# Allegro board mini_trx_layout.brd (continued)
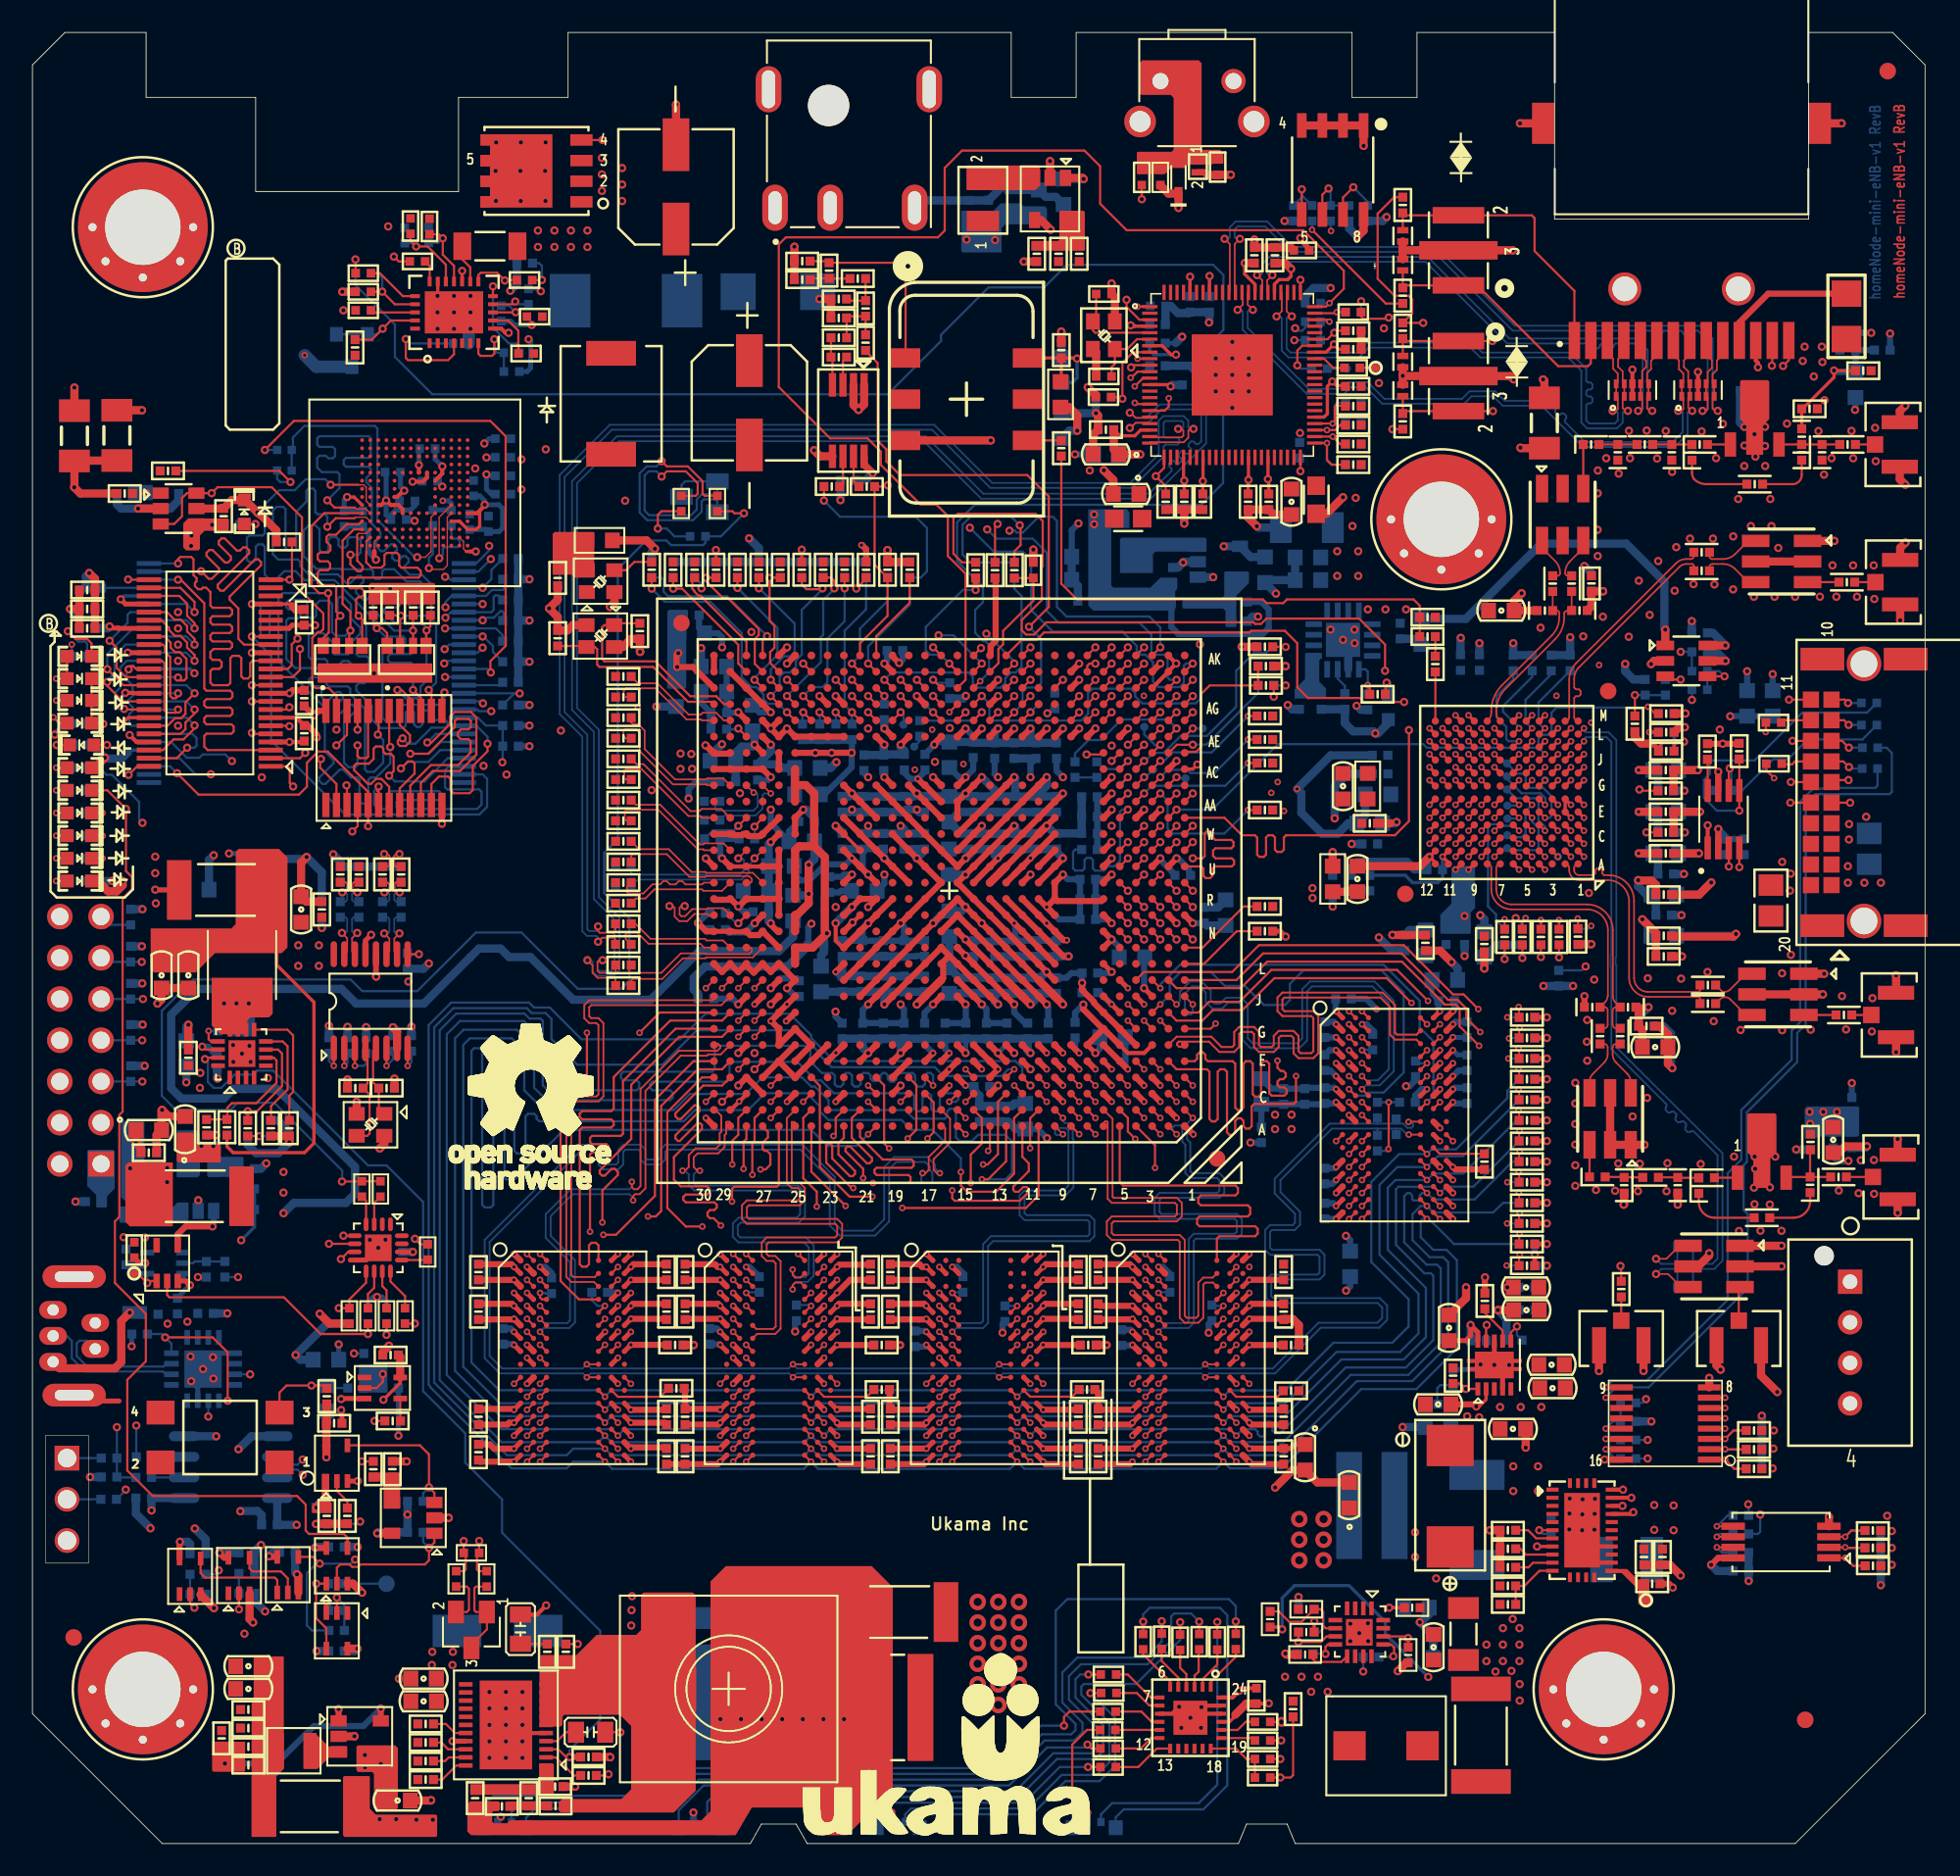
[diagram p0: board, top side]
## Routing (per net, layer and track width the routed paths; a pad name or vN(x,y) marks a point on that pad's centre or on a via; arc(x,y) is an arc through that point) (continued)
7130_QLM1_RXN0: length 9.3
  TOP w0.107: U1.V28 v1(43.49,60.71)
  BOTTOM w0.107: v1(43.49,60.71) 43.73,60.71 43.83,60.6 43.83,59.97 43.57,59.7 36.99,59.7 36.89,59.81 C243.2
7130_QLM1_RXN1: length 5
  TOP w0.107: U1.AB28 v2(44.43,64.76)
  BOTTOM w0.107: v2(44.43,64.76) 44.57,64.76 44.68,64.66 44.68,63.9 44.42,63.65 42.16,63.65 42.06,63.75 42.06,63.93 C255.2
7130_QLM1_RXP0: length 9.3
  TOP w0.107: U1.V27 v1(44.49,60.71)
  BOTTOM w0.107: C244.2 37.29,59.4 43.69,59.4 44.14,59.84 44.14,60.28 44.49,60.63 v1(44.49,60.71)
7130_QLM1_RXP1: length 5
  TOP w0.107: U1.AB27 v2(45.49,64.71)
  BOTTOM w0.107: C256.2 42.63,63.34 44.55,63.34 44.98,63.78 44.98,64.6 45.09,64.71 v2(45.49,64.71)
7130_QLM1_TXN0: length 7.5
  TOP w0.107: U1.V30 41.38,61.21 41.32,61.27 40.99,61.27 38.55,63.7 36.6,63.7 36.49,63.6 36.49,63.13 36.6,63.03 C72.1
7130_QLM1_TXN1: length 8.6
  TOP w0.107: U1.AB30 41.57,65.21 41.51,65.27 39.46,65.27 37.41,67.31 37.41,68.45 37.19,68.68 36.52,68.68 36.41,68.57 36.41,68.21 36.52,68.11 C74.1
7130_QLM1_TXP0: length 7.4
  TOP w0.107: C73.1 37.17,64.01 38.68,64.01 41.11,61.57 41.32,61.57 41.38,61.63 42.58,61.63 42.99,61.22 U1.V29
7130_QLM1_TXP1: length 8.7
  TOP w0.107: U1.AB29 42.98,65.21 42.56,65.63 41.58,65.63 41.52,65.57 39.58,65.57 37.72,67.44 37.72,68.58 37.31,68.98 36.99,68.98 36.89,69.09 C75.1
7130_RESET_SW_L: length 83.8
  TOP w0.137: v1(60.49,72.71) U1.AJ12
  L3-SIGNAL w0.127: v1(38.14,64.91) 38.14,66.96 37.87,67.23 32.8,67.23 32.14,67.88 32.14,68.93 32.61,69.4 43.17,69.4 43.3,69.27 45.67,69.27 46.04,69.64 46.04,69.89 46.3,70.15 47.67,70.15 48.04,69.78 48.04,69.53 48.3,69.27 50.67,69.27 50.98,69.57 50.98,69.83 51.33,70.18 54.7,70.18 55.04,70.53 55.04,70.89 55.3,71.15 55.67,71.15 55.98,70.84 56.25,70.84 57.04,71.63 57.04,71.94 58.32,73.22 58.62,73.22 58.88,73.48 58.88,74.44 v1(58.77,74.55)
  L6-SIGNAL w0.127: v1(6.73,54.33) 7.63,54.33 12.52,59.21 20.28,59.21 21.46,58.02 26.47,58.02 33.36,64.91 v1(38.14,64.91)
  BOTTOM w0.137: v1(58.77,74.55) 60.49,72.83 v1(60.49,72.71) ; v1(6.73,54.33) R325.2 4.48,54.33 J5.11
7130_RF2_D0: length 37.6
  TOP w0.137: U1.U1 72.01,60.21 72.14,60.07 72.14,59.63 72.28,59.49 72.55,59.49 72.69,59.63 72.69,60.07 72.83,60.21 73.89,60.21 74.03,60.35 74.03,60.57 73.89,60.71 72.89,60.71 72.74,60.86 72.74,61.19 72.87,61.33 73.86,61.33 74,61.46 74,61.71 73.86,61.84 72.87,61.84 72.74,61.98 72.74,62.24 72.6,62.37 72.36,62.37 72.22,62.24 72.22,60.85 72.08,60.71 v1(71.49,60.71) ; U3.K11 v2(86.87,67.92)
  L6-SIGNAL w0.127: v1(71.49,60.71) 76.25,60.71 76.84,61.3 77.02,61.3 77.48,60.85 77.66,60.85 77.84,61.03 77.84,61.21 77.38,61.66 77.38,61.84 77.56,62.02 77.74,62.02 78.2,61.57 78.38,61.57 78.56,61.74 78.56,61.92 78.1,62.38 78.1,62.56 78.28,62.74 78.46,62.74 78.92,62.28 79.1,62.28 79.28,62.46 79.28,62.64 78.82,63.1 78.82,63.28 79.82,64.28 80,64.28 80.15,64.13 80.33,64.13 80.51,64.31 80.51,64.49 80.36,64.64 80.36,64.82 83.07,67.53 83.67,67.53 83.8,67.4 83.8,67.17 83.93,67.05 84.18,67.05 84.31,67.17 84.31,67.4 84.43,67.53 84.69,67.53 84.82,67.4 84.82,67.17 84.94,67.05 85.2,67.05 85.32,67.17 85.32,67.4 85.45,67.53 86.48,67.53 v2(86.87,67.92)
7130_RF2_D1: length 40.2
  TOP w0.137: U3.J12 v2(86.07,67.12) ; U1.U4 v1(68.49,60.71)
  L3-SIGNAL w0.127: v1(68.49,60.71) 68.04,61.15 67.41,61.15 66.93,61.64 66.93,62.34 67.93,63.34 67.93,63.85 68.34,64.27 68.67,64.27 68.93,64.53 68.93,64.88 69.21,65.15 70.67,65.15 70.93,64.89 70.93,64.47 71.14,64.27 71.67,64.27 72.52,65.12 72.52,65.3 72.21,65.6 72.21,65.78 72.39,65.96 72.57,65.96 72.88,65.66 73.06,65.66 73.24,65.83 73.24,66.01 72.93,66.32 72.93,66.5 72.98,66.54 72.98,72.28 73.28,72.59 75.4,72.59 75.7,72.28 75.7,70.62 75.7,70.35 76.67,69.38 77.66,69.38 78.76,70.48 78.76,71.3 79.1,71.65 80.81,71.65 81.79,70.66 82.72,70.66 84.36,69.02 84.36,68.42 84.62,68.16 85.17,68.16 86.07,67.26 v2(86.07,67.12)
7130_RF2_D2: length 37.6
  TOP w0.137: U3.K10 v2(87.67,67.92) ; U1.U5 v1(67.49,60.71)
  L6-SIGNAL w0.127: v2(87.67,67.92) 87.28,68.32 85.91,68.32 85.76,68.16 83.51,68.16 83.2,67.86 82.93,67.86 82.62,67.55 82.32,67.55 82.1,67.33 81.92,67.33 81.51,67.75 81.33,67.75 81.15,67.57 81.15,67.39 81.56,66.97 81.56,66.79 81.38,66.61 81.2,66.61 80.79,67.03 80.61,67.03 80.43,66.85 80.43,66.67 80.85,66.25 80.85,66.07 78.55,63.77 78.37,63.77 78.22,63.92 78.22,64.1 79.99,65.88 79.99,66.06 79.87,66.19 79.69,66.19 77.62,64.12 77.62,63.8 78.01,63.41 78.01,63.23 76.02,61.24 74.92,61.24 74.79,61.37 74.79,61.85 74.66,61.97 74.44,61.97 74.28,61.81 74.28,61.37 74.15,61.24 73.9,61.24 73.77,61.37 73.77,61.81 73.65,61.94 73.39,61.94 73.26,61.81 73.26,61.37 73.14,61.24 72.88,61.24 72.76,61.37 72.76,61.81 72.63,61.94 72.38,61.94 72.25,61.81 72.25,61.37 72.12,61.24 68.02,61.24 v1(67.49,60.71)
7130_RF2_D3: length 40.3
  TOP w0.137: U3.J11 v2(86.87,67.12) ; U1.V1 v1(71.49,61.71)
  L3-SIGNAL w0.127: v1(71.49,61.71) 72.3,61.71 72.43,61.58 72.43,60.82 72.56,60.69 73.67,60.69 73.79,60.82 73.79,61.07 73.67,61.2 73.06,61.2 72.94,61.33 72.94,61.58 73.06,61.71 73.39,61.71 73.52,61.84 73.52,62.15 73.65,62.28 73.9,62.28 74.03,62.15 74.03,61.84 74.15,61.71 74.51,61.71 76.05,63.25 76.05,64.25 75.82,64.48 75.82,66.79 76.35,67.33 78.01,67.33 78.82,66.52 81.64,66.52 81.92,66.24 81.92,64.69 82.2,64.41 82.2,64.4 82.63,63.96 82.64,63.96 82.66,63.95 85.34,63.95 85.81,64.42 90.58,64.42 91.08,64.92 91.08,67.48 90.24,68.32 87.51,68.32 87.28,68.09 87.28,67.53 v2(86.87,67.12)
7130_RF2_D4: length 37.7
  TOP w0.137: U3.K9 v2(88.47,67.92) ; U1.V2 v1(70.49,61.71)
  L6-SIGNAL w0.127: v1(70.49,61.71) 70.77,61.71 71.32,62.27 71.84,62.27 71.84,62.3 72.72,63.18 73.09,63.18 73.22,63.05 73.22,62.48 73.34,62.35 73.6,62.35 73.72,62.48 73.72,63.05 73.85,63.18 74.11,63.18 74.23,63.05 74.23,62.48 74.36,62.35 74.61,62.35 74.74,62.48 74.74,63.05 74.87,63.18 75.12,63.18 75.25,63.05 75.25,62.48 75.38,62.35 75.63,62.35 75.76,62.48 75.76,63.05 75.88,63.18 76.4,63.18 76.51,63.29 76.51,63.71 76.38,63.84 76.25,63.84 76.12,63.96 76.12,64.22 76.25,64.34 76.7,64.34 80.3,67.94 80.3,68.12 80.12,68.3 79.94,68.3 77.48,65.84 77.3,65.84 77.12,66.01 77.12,66.19 79.83,68.91 80.96,68.91 81.08,68.78 81.08,68.54 81.21,68.42 81.46,68.42 81.59,68.54 81.59,68.78 81.72,68.91 83.19,68.91 83.27,68.99 83.31,68.99 83.43,69.12 87.84,69.12 88.08,68.87 88.08,68.32 v2(88.47,67.92)
7130_RF2_D5: length 37.5
  TOP w0.137: U1.V3 v1(69.49,61.71) ; U3.J10 v2(87.67,67.12)
  L6-SIGNAL w0.127: v1(69.49,61.71) 69.7,61.71 70.15,62.15 70.67,62.15 71.04,62.53 71.04,62.89 71.3,63.15 71.49,63.15 72.74,64.4 74.85,64.4 75.28,64.82 75.28,65 74.74,65.54 74.74,65.72 75.57,66.55 75.57,66.73 75.06,67.23 75.06,67.41 75.24,67.59 75.42,67.59 75.92,67.09 76.1,67.09 76.74,67.72 76.92,67.72 77.1,67.54 77.1,67.36 75.46,65.72 75.46,65.54 75.63,65.36 75.81,65.36 79.7,69.24 83.05,69.24 83.38,69.57 84.83,69.57 85.77,70.51 86.16,70.51 86.29,70.38 86.29,70.08 86.41,69.95 86.67,69.95 86.79,70.08 86.79,70.38 86.92,70.51 88.32,70.51 88.88,69.95 88.88,67.77 88.64,67.53 88.63,67.53 88.61,67.52 88.07,67.52 v2(87.67,67.12)
7130_RF2_D6: length 37.7
  TOP w0.137: U1.V4 v1(68.49,61.71) ; U3.K8 v2(89.27,67.92)
  L6-SIGNAL w0.127: v2(89.27,67.92) 89.27,68.17 89.67,68.56 89.67,69.66 88.49,70.84 85.63,70.84 84.69,69.9 83.24,69.9 82.91,69.57 82.62,69.57 82.4,69.79 82.11,69.79 81.89,69.57 80.41,69.57 80.28,69.7 80.28,70.04 80.16,70.17 79.9,70.17 79.78,70.04 79.78,69.7 79.65,69.57 79.2,69.57 77.89,68.26 77.11,68.26 76.7,68.67 73.61,68.67 73.25,68.31 73.25,68.01 73.38,67.88 73.9,67.88 74.02,67.76 74.02,67.5 73.9,67.38 73.38,67.38 73.25,67.25 73.25,66.7 73.38,66.57 74.28,66.57 74.41,66.45 74.41,66.19 74.28,66.06 73.98,66.06 73.86,65.94 73.86,64.92 73.73,64.79 73.47,64.79 73.35,64.92 73.35,65.94 73.22,66.06 72.93,66.06 72.81,65.94 72.81,64.93 71.36,63.48 70.89,63.48 70.67,63.27 70.3,63.27 69.93,62.89 69.93,62.5 69.7,62.27 69.04,62.27 v1(68.49,61.71)
7130_RF2_D7: length 40.2
  TOP w0.137: U1.V5 v1(67.49,61.71) ; U3.J9 v2(88.47,67.12)
  L3-SIGNAL w0.127: v2(88.47,67.12) 88.32,66.97 88.08,66.97 87.85,66.74 85.92,66.74 84.82,67.83 84.48,67.83 84.03,68.29 84.03,68.89 83.25,69.66 82.91,69.66 82.78,69.79 82.78,69.97 82.65,70.09 82.4,70.09 82.27,69.97 82.27,69.79 82.15,69.66 81.39,69.66 81.13,69.92 81.13,70.85 80.67,71.32 79.24,71.32 79.09,71.16 79.09,70.35 77.79,69.05 76.8,69.05 76.53,69.05 75.37,70.21 75.37,70.76 75.37,72.12 75.24,72.26 73.46,72.26 73.31,72.1 73.31,66.42 73.57,66.15 73.57,65.7 73.46,65.59 73.46,65.58 72.89,65.01 72.89,64.83 73.28,64.45 73.28,64.27 73.1,64.09 72.92,64.09 72.53,64.48 72.35,64.48 71.79,63.91 70.92,63.91 70.66,64.16 69.23,64.16 68.93,63.86 68.93,63.53 68.67,63.27 68.34,63.27 67.93,62.86 67.93,62.15 v1(67.49,61.71)
7130_RF2_D8: length 40.3
  TOP w0.137: U3.K7 v2(90.07,67.92) ; U1.W1 v1(71.49,62.71)
  L3-SIGNAL w0.127: v2(90.07,67.92) 90.75,67.25 90.75,66.99 90.62,66.87 90.59,66.87 90.47,66.74 90.47,66.48 90.59,66.36 90.62,66.36 90.75,66.23 90.75,65.05 90.44,64.75 85.67,64.75 85.22,64.29 84.8,64.29 84.67,64.42 84.67,64.64 84.55,64.76 84.29,64.76 84.17,64.64 84.17,64.42 84.04,64.29 83.78,64.29 83.66,64.42 83.66,64.64 83.53,64.76 83.28,64.76 83.15,64.64 83.15,64.42 83.02,64.29 82.77,64.29 82.53,64.53 82.53,66.44 81.97,67 80.32,67 80.19,67.12 80.19,67.65 80.07,67.78 79.81,67.78 79.69,67.65 79.69,67.12 79.56,67 79.1,67 78.88,67.21 78.88,67.39 79.22,67.73 79.22,67.91 79.04,68.09 78.86,68.09 78.52,67.75 78.34,67.75 78.03,68.06 76.12,68.06 76.12,68.06 75.95,68.06 75.34,68.67 74.47,68.67 74.35,68.55 74.35,67.2 74.58,66.98 75.05,66.98 75.05,66.97 75.16,66.97 75.34,66.79 75.34,66.04 75.22,65.91 75.06,65.91 74.93,65.79 74.93,65.53 75.06,65.41 75.22,65.41 75.34,65.28 75.34,64.05 75.63,63.76 75.63,63.59 74.75,62.71 74.38,62.71 74.25,62.84 74.25,62.88 74.12,63.01 73.87,63.01 73.74,62.88 73.74,62.84 73.61,62.71 72.87,62.71 72.74,62.58 72.74,62.17 72.62,62.04 72.36,62.04 72.24,62.17 72.24,62.58 72.11,62.71 v1(71.49,62.71)
7130_RF2_D9: length 40.2
  TOP w0.137: U1.W2 v1(70.49,62.71) ; U3.J8 v2(89.27,67.12)
  L3-SIGNAL w0.127: v2(89.27,67.12) 89.68,66.72 89.68,65.3 89.48,65.1 85.68,65.1 85.56,65.23 85.56,65.35 85.43,65.48 85.17,65.48 85.05,65.35 85.05,65.23 84.92,65.1 84.67,65.1 84.54,65.23 84.54,65.35 84.41,65.48 84.16,65.48 84.03,65.35 84.03,65.23 83.9,65.1 83.54,65.1 82.9,65.75 82.9,67.15 82.1,67.95 81.92,67.95 81.39,67.42 81.21,67.42 81.03,67.6 81.03,67.78 81.56,68.31 81.56,68.49 81.38,68.67 81.2,68.67 80.67,68.14 80.49,68.14 80.31,68.32 80.31,68.5 80.84,69.03 80.84,69.21 80.47,69.57 80.47,70.52 80.34,70.66 79.96,70.66 79.78,70.48 79.78,70.09 79.11,69.41 79.11,69.23 79.88,68.47 79.88,68.29 79.7,68.11 79.52,68.11 78.75,68.87 78.57,68.87 78.09,68.39 76.2,68.39 75.59,69 74.27,69 74.02,68.75 74.02,66.85 74.42,66.45 74.42,65.75 74.6,65.58 74.6,64.48 73.27,63.15 71.3,63.15 71.04,62.89 71.04,62.84 70.91,62.71 v1(70.49,62.71)
7130_RF2_D10: length 37.5
  TOP w0.137: U1.W3 v1(69.49,62.71) ; U3.J7 v2(90.07,67.12)
  L6-SIGNAL w0.127: v1(69.49,62.71) 69.49,62.99 70.04,63.55 70.04,63.89 70.41,64.27 71.67,64.27 72.48,65.07 72.48,65.64 72.35,65.77 72.31,65.77 72.18,65.9 72.18,66.15 72.31,66.28 72.35,66.28 72.48,66.41 72.48,67.36 72.7,67.58 72.7,68.24 74.32,69.87 74.97,69.87 75.09,70 75.09,70.39 75.22,70.52 75.48,70.52 75.6,70.39 75.6,70 75.73,69.87 76.85,69.87 77.13,69.59 77.13,68.86 77.26,68.74 77.75,68.74 78.13,69.12 78.13,69.3 77.71,69.72 77.71,69.9 77.89,70.08 78.06,70.08 78.49,69.66 78.67,69.66 78.85,69.84 78.85,70.01 78.42,70.44 78.42,70.62 78.6,70.8 78.78,70.8 79.21,70.37 79.39,70.37 79.68,70.66 80.19,70.66 80.32,70.79 80.32,71.17 80.45,71.29 80.7,71.29 80.83,71.17 80.83,70.79 80.96,70.66 84.2,70.66 84.7,71.17 88.91,71.17 90.47,69.61 90.47,67.52 v2(90.07,67.12)
7130_RF2_D11: length 40.2
  TOP w0.137: U3.H8 v2(89.27,66.32) ; U1.W4 v1(68.49,62.71)
  L3-SIGNAL w0.127: v2(89.27,66.32) 88.83,65.88 88.65,65.88 88.63,65.9 85.95,65.9 85.69,66.17 85.69,66.4 85.2,66.89 84.86,66.89 84.57,66.6 84.57,66.04 84.44,65.92 83.96,65.92 83.69,66.19 83.69,66.58 84.27,67.17 84.27,67.54 83.64,68.17 83.64,68.39 82.71,69.33 81.18,69.33 80.8,69.71 80.8,70.71 80.53,70.99 79.63,70.99 79.45,70.81 79.45,70.22 77.95,68.72 76.39,68.72 75.04,70.08 75.04,70.14 75.03,70.15 75.03,71.65 74.78,71.9 73.81,71.9 73.69,71.77 73.69,66.72 74.09,66.31 74.09,64.99 74.23,64.85 74.23,64.67 73.14,63.58 71.26,63.58 70.84,63.15 69.27,63.15 68.82,62.71 v1(68.49,62.71)
7130_RF_D0: length 37.6
  TOP w0.137: U1.R1 v1(71.49,57.71) ; U3.E12 v2(86.07,63.21)
  L6-SIGNAL w0.127: v2(86.07,63.21) 86.47,62.82 86.47,60.42 86.34,60.29 84.24,60.29 84.11,60.16 84.11,59.91 84.24,59.78 86.34,59.78 86.47,59.65 86.47,59.4 86.34,59.27 84.24,59.27 84.11,59.15 84.11,58.89 84.24,58.77 86.34,58.77 86.47,58.64 86.47,58.1 85.57,57.2 84.41,57.2 84.29,57.07 84.29,56.79 84.16,56.66 83.9,56.66 83.78,56.79 83.78,57.07 83.65,57.2 83.4,57.2 83.27,57.07 83.27,56.79 83.14,56.66 82.89,56.66 82.76,56.79 82.76,57.07 82.63,57.2 82.38,57.2 82.25,57.07 82.25,56.79 82.13,56.66 81.87,56.66 81.75,56.79 81.75,57.07 81.62,57.2 80.84,57.2 80.71,57.07 80.71,56.9 80.58,56.77 80.33,56.77 80.2,56.9 80.2,57.07 80.07,57.2 79.82,57.2 79.69,57.07 79.69,56.9 79.57,56.77 79.31,56.77 79.19,56.9 79.19,57.07 79.06,57.2 78.8,57.2 78.68,57.07 78.68,56.9 78.55,56.77 78.3,56.77 78.17,56.9 78.17,57.07 78.04,57.2 77.79,57.2 77.66,57.07 77.66,56.9 77.53,56.77 77.28,56.77 77.15,56.9 77.15,57.07 77.03,57.2 76.77,57.2 76.65,57.07 76.65,56.9 76.52,56.77 76.26,56.77 76.14,56.9 76.14,57.07 76.01,57.2 75.76,57.2 75.63,57.07 75.63,56.9 75.5,56.77 75.25,56.77 75.12,56.9 75.12,57.07 74.99,57.2 74.74,57.2 74.61,57.07 74.61,56.9 74.49,56.77 74.23,56.77 74.11,56.9 74.11,57.07 73.98,57.2 73.72,57.2 73.6,57.07 73.6,56.9 73.47,56.77 73.22,56.77 73.09,56.9 73.09,57.07 72.96,57.2 72.16,57.2 71.65,57.71 v1(71.49,57.71)
7130_RF_D1: length 40.5
  TOP w0.137: U3.D11 v2(86.87,62.41) ; U1.R2 v1(70.49,57.71)
  L3-SIGNAL w0.127: v2(86.87,62.41) 86.48,62.02 85.79,62.02 85.66,61.89 85.66,60.7 85.68,60.68 85.68,60.65 85.91,60.42 86.13,60.42 86.41,60.13 86.41,59.85 86.29,59.72 82.97,59.72 82.84,59.85 82.84,60.1 82.97,60.23 85.28,60.23 85.41,60.35 85.41,60.61 85.28,60.73 81.07,60.73 80.65,61.16 80.65,61.99 80.21,62.43 78.06,62.43 77.42,61.79 77.42,61.39 77.55,61.26 78.94,61.26 79.07,61.13 79.07,60.88 78.94,60.75 77.55,60.75 77.42,60.63 77.42,59.92 77.29,59.8 76.32,59.8 76.12,59.99 75.94,59.99 75.15,59.2 75.15,58.96 75.28,58.84 75.51,58.84 75.94,59.27 76.12,59.27 76.3,59.09 76.3,58.91 75.6,58.21 74.78,58.21 74.65,58.33 74.65,58.77 74.53,58.9 74.27,58.9 74.15,58.77 74.15,58.33 74.02,58.21 73.76,58.21 73.64,58.33 73.64,58.77 73.51,58.9 73.26,58.9 73.13,58.77 73.13,58.33 73,58.21 72.75,58.21 72.62,58.33 72.62,58.77 72.49,58.9 72.24,58.9 72.11,58.77 72.11,58.33 71.99,58.21 70.98,58.21 v1(70.49,57.71)
7130_RF_D2: length 37.6
  TOP w0.137: U3.E11 v2(86.87,63.21) ; U1.R3 v1(69.49,57.71)
  L6-SIGNAL w0.127: v1(69.49,57.71) 70.04,57.15 71.67,57.15 73.39,55.44 73.72,55.44 73.72,55.44 73.97,55.44 74.1,55.57 74.1,56.32 74.22,56.44 74.48,56.44 74.61,56.32 74.61,55.57 74.73,55.44 74.99,55.44 75.11,55.57 75.11,56.32 75.24,56.44 75.49,56.44 75.62,56.32 75.62,55.57 75.75,55.44 76,55.44 76.13,55.57 76.13,56.32 76.26,56.44 76.51,56.44 76.64,56.32 76.64,55.57 76.76,55.44 77.11,55.44 77.11,55.44 77.4,55.44 77.4,55.44 77.92,55.44 78.05,55.57 78.05,56.24 78.17,56.37 78.43,56.37 78.55,56.24 78.55,55.57 78.68,55.44 78.94,55.44 79.06,55.57 79.06,56.24 79.19,56.37 79.44,56.37 79.57,56.24 79.57,55.57 79.7,55.44 79.95,55.44 80.08,55.57 80.08,56.24 80.21,56.37 80.46,56.37 80.59,56.24 80.59,55.57 80.71,55.44 80.97,55.44 81.09,55.57 81.09,56.15 81.22,56.28 81.48,56.28 81.6,56.15 81.6,55.57 81.73,55.44 81.99,55.44 81.99,55.44 82.71,55.44 82.77,55.39 83.44,55.39 83.49,55.44 84.81,55.44 87.27,57.9 87.27,62.82 v2(86.87,63.21)
7130_RF_D3: length 40.4
  TOP w0.137: U1.R4 v1(68.49,57.71) ; U3.D10 v2(87.67,62.41)
  L3-SIGNAL w0.127: v1(68.49,57.71) 68.7,57.71 70.22,59.23 71,59.23 71.13,59.36 71.51,59.36 71.64,59.23 72.01,59.23 72.15,59.36 72.52,59.36 72.66,59.23 73.03,59.23 73.16,59.36 73.54,59.36 73.67,59.23 74.67,59.23 74.98,59.54 74.98,59.8 74.68,60.1 74.68,60.28 74.86,60.46 75.04,60.46 75.22,60.28 75.4,60.28 75.56,60.45 76.19,60.45 76.39,60.65 76.39,61.37 78.26,63.23 78.26,64.56 78.69,64.99 78.99,64.99 79.11,64.86 79.11,63.29 79.24,63.16 79.49,63.16 79.62,63.29 79.62,64.86 79.75,64.99 80.95,64.99 81.26,64.69 81.26,64.43 81.13,64.31 80.42,64.31 80.29,64.18 80.29,63.92 80.42,63.8 81.13,63.8 81.26,63.67 81.26,62.81 81.98,62.08 82.84,62.08 82.96,62.21 82.96,62.86 83.09,62.98 83.34,62.98 83.47,62.86 83.47,62.21 83.6,62.08 84.83,62.08 84.95,61.95 84.95,61.7 84.83,61.57 83.46,61.57 83.33,61.45 83.33,61.19 83.46,61.06 85.21,61.06 85.33,61.19 85.33,62.51 85.63,62.8 87.28,62.8 v2(87.67,62.41)
7130_RF_D4: length 37.4
  TOP w0.137: U1.P3 v1(69.49,56.71) ; U3.E10 v2(87.67,63.21)
  L6-SIGNAL w0.127: v1(69.49,56.71) 70.04,56.15 70.04,55.13 70.75,54.42 73.19,54.42 73.6,54.83 73.6,54.85 73.86,55.11 74.74,55.11 74.87,54.98 74.87,54.54 75,54.42 75.25,54.42 75.38,54.54 75.38,54.98 75.5,55.11 75.76,55.11 75.88,54.98 75.88,54.54 76.01,54.42 76.27,54.42 76.39,54.54 76.39,54.98 76.52,55.11 76.77,55.11 76.9,54.98 76.9,54.54 77.03,54.42 77.28,54.42 77.41,54.54 77.41,54.98 77.54,55.11 77.79,55.11 77.92,54.98 77.92,54.54 78.04,54.42 78.3,54.42 78.42,54.54 78.42,54.98 78.55,55.11 78.81,55.11 78.93,54.98 78.93,54.54 79.06,54.42 79.31,54.42 79.44,54.54 79.44,54.98 79.57,55.11 79.82,55.11 79.95,54.98 79.95,54.54 80.08,54.42 80.33,54.42 80.46,54.54 80.46,54.98 80.58,55.11 80.84,55.11 80.96,54.98 80.96,54.54 81.09,54.42 81.35,54.42 81.47,54.54 81.47,54.98 81.6,55.11 81.85,55.11 81.98,54.98 81.98,54.54 82.11,54.42 82.36,54.42 82.49,54.54 82.49,54.73 82.62,54.86 82.83,54.86 83,54.69 83,54.54 83.12,54.42 83.38,54.42 83.5,54.54 83.5,54.98 83.63,55.11 85.04,55.11 88.07,58.14 88.07,62.82 v2(87.67,63.21)
7130_RF_D5: length 40.5
  TOP w0.137: U3.D9 v2(88.47,62.41) ; U1.P4 v1(68.49,56.71)
  L3-SIGNAL w0.127: v2(88.47,62.41) 88.07,62 88.07,61.45 87.82,61.2 86.71,61.2 86.48,60.97 86.48,60.53 86.61,60.4 87.84,60.4 88.08,60.16 88.08,59.74 87.73,59.39 82.2,59.39 82.2,59.38 81.99,59.17 81.99,58.92 81.86,58.79 81.38,58.79 81.26,58.66 81.26,58.41 81.38,58.28 81.86,58.28 81.99,58.15 81.99,57.7 81.76,57.47 80.9,57.47 80.62,57.75 80.62,58.23 80.49,58.36 79.66,58.36 79.53,58.48 79.53,58.74 79.66,58.86 80.49,58.86 80.62,58.99 80.62,59.26 80.49,59.39 78.52,59.39 78.21,59.08 78.21,58.9 78.45,58.66 78.45,58.48 78.27,58.3 78.09,58.3 77.85,58.54 77.67,58.54 77.37,58.23 77.19,58.23 76.73,58.7 76.55,58.7 76.37,58.52 76.37,57.35 76.17,57.15 75.8,57.15 75.67,57.28 75.67,57.75 75.54,57.88 75.29,57.88 75.16,57.75 75.16,57.28 75.03,57.15 74.78,57.15 74.65,57.28 74.65,57.75 74.53,57.88 74.27,57.88 74.15,57.75 74.15,57.28 74.02,57.15 73.76,57.15 73.64,57.28 73.64,57.75 73.51,57.88 73.26,57.88 73.13,57.75 73.13,57.28 73,57.15 72.75,57.15 72.62,57.28 72.62,57.75 72.49,57.88 72.24,57.88 72.11,57.75 72.11,57.28 71.99,57.15 69.3,57.15 68.89,56.75 68.52,56.75 v1(68.49,56.71)
7130_RF_D6: length 40.3
  TOP w0.137: U3.E9 v2(88.47,63.21) ; U1.P5 v1(67.49,56.71)
  L3-SIGNAL w0.127: v1(67.49,56.71) 67.52,56.71 68.04,57.23 68.04,57.89 68.37,58.22 68.68,58.22 70.16,59.69 70.54,59.69 70.67,59.82 70.67,60.14 70.8,60.27 71.05,60.27 71.18,60.14 71.18,59.82 71.3,59.69 71.56,59.69 71.68,59.82 71.68,60.14 71.81,60.27 72.07,60.27 72.19,60.14 72.19,59.82 72.32,59.69 72.57,59.69 72.7,59.82 72.7,60.14 72.83,60.27 73.08,60.27 73.21,60.14 73.21,59.82 73.34,59.69 73.62,59.69 74.28,60.34 74.28,60.52 74.12,60.68 74.12,60.85 74.3,61.03 74.48,61.03 74.63,60.88 74.81,60.88 74.99,61.06 74.99,61.24 74.84,61.39 74.84,61.57 75.02,61.75 75.2,61.75 75.35,61.6 75.53,61.6 75.76,61.83 76.35,61.83 76.48,61.95 76.48,62.97 76.65,63.14 77.47,63.14 77.6,63.26 77.6,64.75 77.47,64.88 77.47,65.85 77.34,65.98 76.38,65.98 76.25,66.11 76.25,66.75 76.43,66.92 77.8,66.92 78.54,66.18 78.85,66.18 78.97,66.06 78.97,65.63 79.1,65.5 79.35,65.5 79.48,65.63 79.48,66.06 79.61,66.18 79.86,66.18 79.99,66.06 79.99,65.63 80.12,65.5 80.37,65.5 80.5,65.63 80.5,66.06 80.62,66.18 81.28,66.18 81.59,65.88 81.59,64.36 82.33,63.62 88.07,63.62 v2(88.47,63.21)
7130_RF_D7: length 40.1
  TOP w0.137: U3.D8 v2(89.27,62.41) ; U1.N1 v1(71.49,55.71)
  L3-SIGNAL w0.127: v1(71.49,55.71) 72.47,55.71 72.6,55.84 72.6,56.18 72.72,56.3 72.98,56.3 73.1,56.18 73.1,55.84 73.23,55.71 73.48,55.71 73.61,55.84 73.61,56.18 73.74,56.3 73.99,56.3 74.12,56.18 74.12,55.84 74.25,55.71 74.5,55.71 74.63,55.84 74.63,56.18 74.75,56.3 75.01,56.3 75.14,56.18 75.14,55.84 75.26,55.71 75.52,55.71 75.64,55.84 75.64,56.06 75.77,56.19 76.02,56.19 76.15,56.06 76.15,55.84 76.28,55.71 76.76,55.71 76.76,55.7 77.24,55.22 77.65,55.22 77.78,55.35 77.78,55.92 77.91,56.05 78.16,56.05 78.29,55.92 78.29,55.35 78.42,55.22 79.05,55.22 79.51,55.68 79.51,55.7 79.83,56.02 79.84,56.02 79.9,56.07 81.74,56.07 82.93,54.88 83.3,54.88 83.43,55.01 83.43,55.29 83.55,55.42 83.81,55.42 83.94,55.29 83.94,55.01 84.06,54.88 85.04,54.88 85.24,55.09 85.24,55.59 85.12,55.71 84.84,55.71 84.71,55.84 84.71,56.09 84.84,56.22 85.12,56.22 85.24,56.35 85.24,56.75 84.99,57 82.78,57 82.65,57.13 82.65,57.8 82.78,57.93 82.96,57.93 83.08,57.8 83.08,57.63 83.22,57.49 83.46,57.49 83.59,57.62 83.59,57.8 83.72,57.93 83.97,57.93 84.1,57.8 84.1,57.52 84.23,57.4 84.82,57.4 85.39,57.97 89.33,57.97 89.67,58.3 89.67,62.02 v2(89.27,62.41)
7130_RF_D8: length 40.5
  TOP w0.137: U3.E8 v2(89.27,63.21) ; U1.N2 v1(70.49,55.71)
  L3-SIGNAL w0.127: v2(89.27,63.21) 89.27,62.97 88.88,62.57 88.88,60.65 89.27,60.25 89.27,59.77 89.15,59.64 88.91,59.64 88.78,59.52 88.78,59.26 88.91,59.13 89.15,59.13 89.27,59.01 89.27,58.62 89.02,58.37 88.28,58.37 88.16,58.49 88.16,58.83 88.03,58.96 87.77,58.96 87.65,58.83 87.65,58.49 87.52,58.37 87.27,58.37 87.14,58.49 87.14,58.83 87.01,58.96 86.76,58.96 86.63,58.83 86.63,58.49 86.5,58.37 86.25,58.37 86.12,58.49 86.12,58.83 86,58.96 85.74,58.96 85.62,58.83 85.62,58.49 85.49,58.37 85.23,58.37 85.11,58.49 85.11,58.83 84.98,58.96 84.73,58.96 84.6,58.83 84.6,58.49 84.47,58.37 84.22,58.37 84.09,58.49 84.09,58.83 83.96,58.96 83.71,58.96 83.58,58.83 83.58,58.49 83.46,58.37 83.2,58.37 83.08,58.49 83.08,58.83 82.95,58.96 82.69,58.96 82.57,58.83 82.57,58.49 82.32,58.24 82.32,56.56 82.19,56.43 81.31,56.43 81.18,56.56 81.18,56.96 81.05,57.09 80.8,57.09 80.67,56.96 80.67,56.56 80.54,56.43 80.29,56.43 80.16,56.56 80.16,56.96 80.04,57.09 79.78,57.09 79.65,56.96 79.65,56.56 79.53,56.43 79.16,56.43 79.04,56.56 79.04,57.66 78.91,57.78 78.66,57.78 78.53,57.66 78.53,56.76 78.4,56.63 78.15,56.63 78.02,56.76 78.02,57.66 77.89,57.78 77.64,57.78 77.51,57.66 77.51,56.55 77.29,56.33 76.73,56.33 76.24,56.82 75.92,56.82 75.73,56.63 75.41,56.63 75.22,56.82 74.9,56.82 74.71,56.63 74.39,56.63 74.2,56.82 73.89,56.82 73.7,56.63 73.38,56.63 73.19,56.82 72.87,56.82 72.68,56.63 72.17,56.63 71.69,56.15 71.3,56.15 70.86,55.71 v1(70.49,55.71)
7130_RF_D9: length 40.2
  TOP w0.137: U1.N3 v1(69.49,55.71) ; U3.D7 v2(90.07,62.41)
  L3-SIGNAL w0.127: v1(69.49,55.71) 69.93,55.27 76.73,55.27 77.13,54.86 79.71,54.86 79.84,54.99 79.84,55.56 79.96,55.69 80.22,55.69 80.35,55.56 80.35,54.99 80.47,54.86 80.73,54.86 80.85,54.99 80.85,55.56 80.98,55.69 81.23,55.69 81.36,55.56 81.36,54.99 81.49,54.86 82.22,54.86 82.53,54.55 85.51,54.55 85.63,54.68 85.63,55.08 85.76,55.21 86.06,55.21 86.18,55.34 86.18,55.59 86.06,55.72 85.76,55.72 85.63,55.84 85.63,57.21 85.76,57.33 86.08,57.33 86.2,57.21 86.2,56.1 86.38,55.92 87.99,55.92 88.11,56.05 88.11,56.58 87.87,56.82 86.84,56.82 86.71,56.95 86.71,57.21 86.84,57.33 87.73,57.33 87.86,57.46 87.86,57.5 87.99,57.63 88.39,57.63 88.68,57.34 88.68,56.7 88.8,56.57 89.41,56.57 89.64,56.81 89.64,57.73 90,58.08 90,60.18 90.19,60.37 90.47,60.65 90.47,61.77 90.07,62.17 v2(90.07,62.41)
7130_RF_D10: length 40.3
  TOP w0.137: U1.N4 v1(68.49,55.71) ; U3.F8 v2(89.27,64.01)
  L3-SIGNAL w0.127: v2(89.27,64.01) 89.66,63.62 90.98,63.62 91.13,63.48 91.13,59.52 91.25,59.4 91.98,59.4 92.1,59.27 92.1,59.02 91.98,58.89 91.25,58.89 91.13,58.76 91.13,57.99 90.3,57.16 90.3,55.5 89.94,55.14 87.33,55.14 86.08,53.89 70.79,53.89 70.38,54.3 67.63,54.3 67.04,54.88 67.04,55.89 67.3,56.15 68.04,56.15 v1(68.49,55.71)
7130_RF_D11: length 40.4
  TOP w0.137: U1.N5 v1(67.49,55.71) ; U3.E7 v2(90.07,63.21)
  L3-SIGNAL w0.127: v2(90.07,63.21) 90.07,62.97 90.47,62.57 90.47,62.24 90.8,61.91 90.8,58.12 89.97,57.3 89.97,55.72 89.74,55.49 89.26,55.49 89.13,55.62 89.13,55.82 89.01,55.95 88.75,55.95 88.63,55.82 88.63,55.62 88.5,55.49 87.12,55.49 85.85,54.22 82.28,54.22 82.15,54.35 82.15,54.41 82.02,54.53 81.77,54.53 81.64,54.41 81.64,54.35 81.52,54.22 81.26,54.22 81.13,54.35 81.13,54.41 81.01,54.53 80.75,54.53 80.63,54.41 80.63,54.35 80.5,54.22 80.25,54.22 80.12,54.35 80.12,54.41 79.99,54.53 79.74,54.53 79.61,54.41 79.61,54.35 79.48,54.22 79.23,54.22 79.1,54.35 79.1,54.41 78.98,54.53 78.72,54.53 78.59,54.41 78.59,54.35 78.47,54.22 78.21,54.22 78.09,54.35 78.09,54.41 77.96,54.53 77.71,54.53 77.58,54.41 77.58,54.35 77.45,54.22 76.49,54.22 76.37,54.35 76.37,54.81 76.24,54.94 75.99,54.94 75.86,54.81 75.86,54.35 75.73,54.22 75.48,54.22 75.35,54.35 75.35,54.81 75.22,54.94 74.97,54.94 74.84,54.81 74.84,54.35 74.72,54.22 73.57,54.22 73.45,54.35 73.45,54.81 73.32,54.94 73.07,54.94 72.94,54.81 72.94,54.35 72.81,54.22 71.12,54.22 70.72,54.63 70.5,54.63 70.37,54.75 70.37,54.81 70.24,54.94 69.99,54.94 69.86,54.81 69.86,54.75 69.74,54.63 69.16,54.63 69.03,54.75 69.03,55.11 68.9,55.24 68.65,55.24 68.52,55.11 68.52,54.75 68.4,54.63 67.79,54.63 67.49,54.94 v1(67.49,55.71)
